# KiCad board SparkX_Soft_Power_Switch_panelized.kicad_pcb (continued)
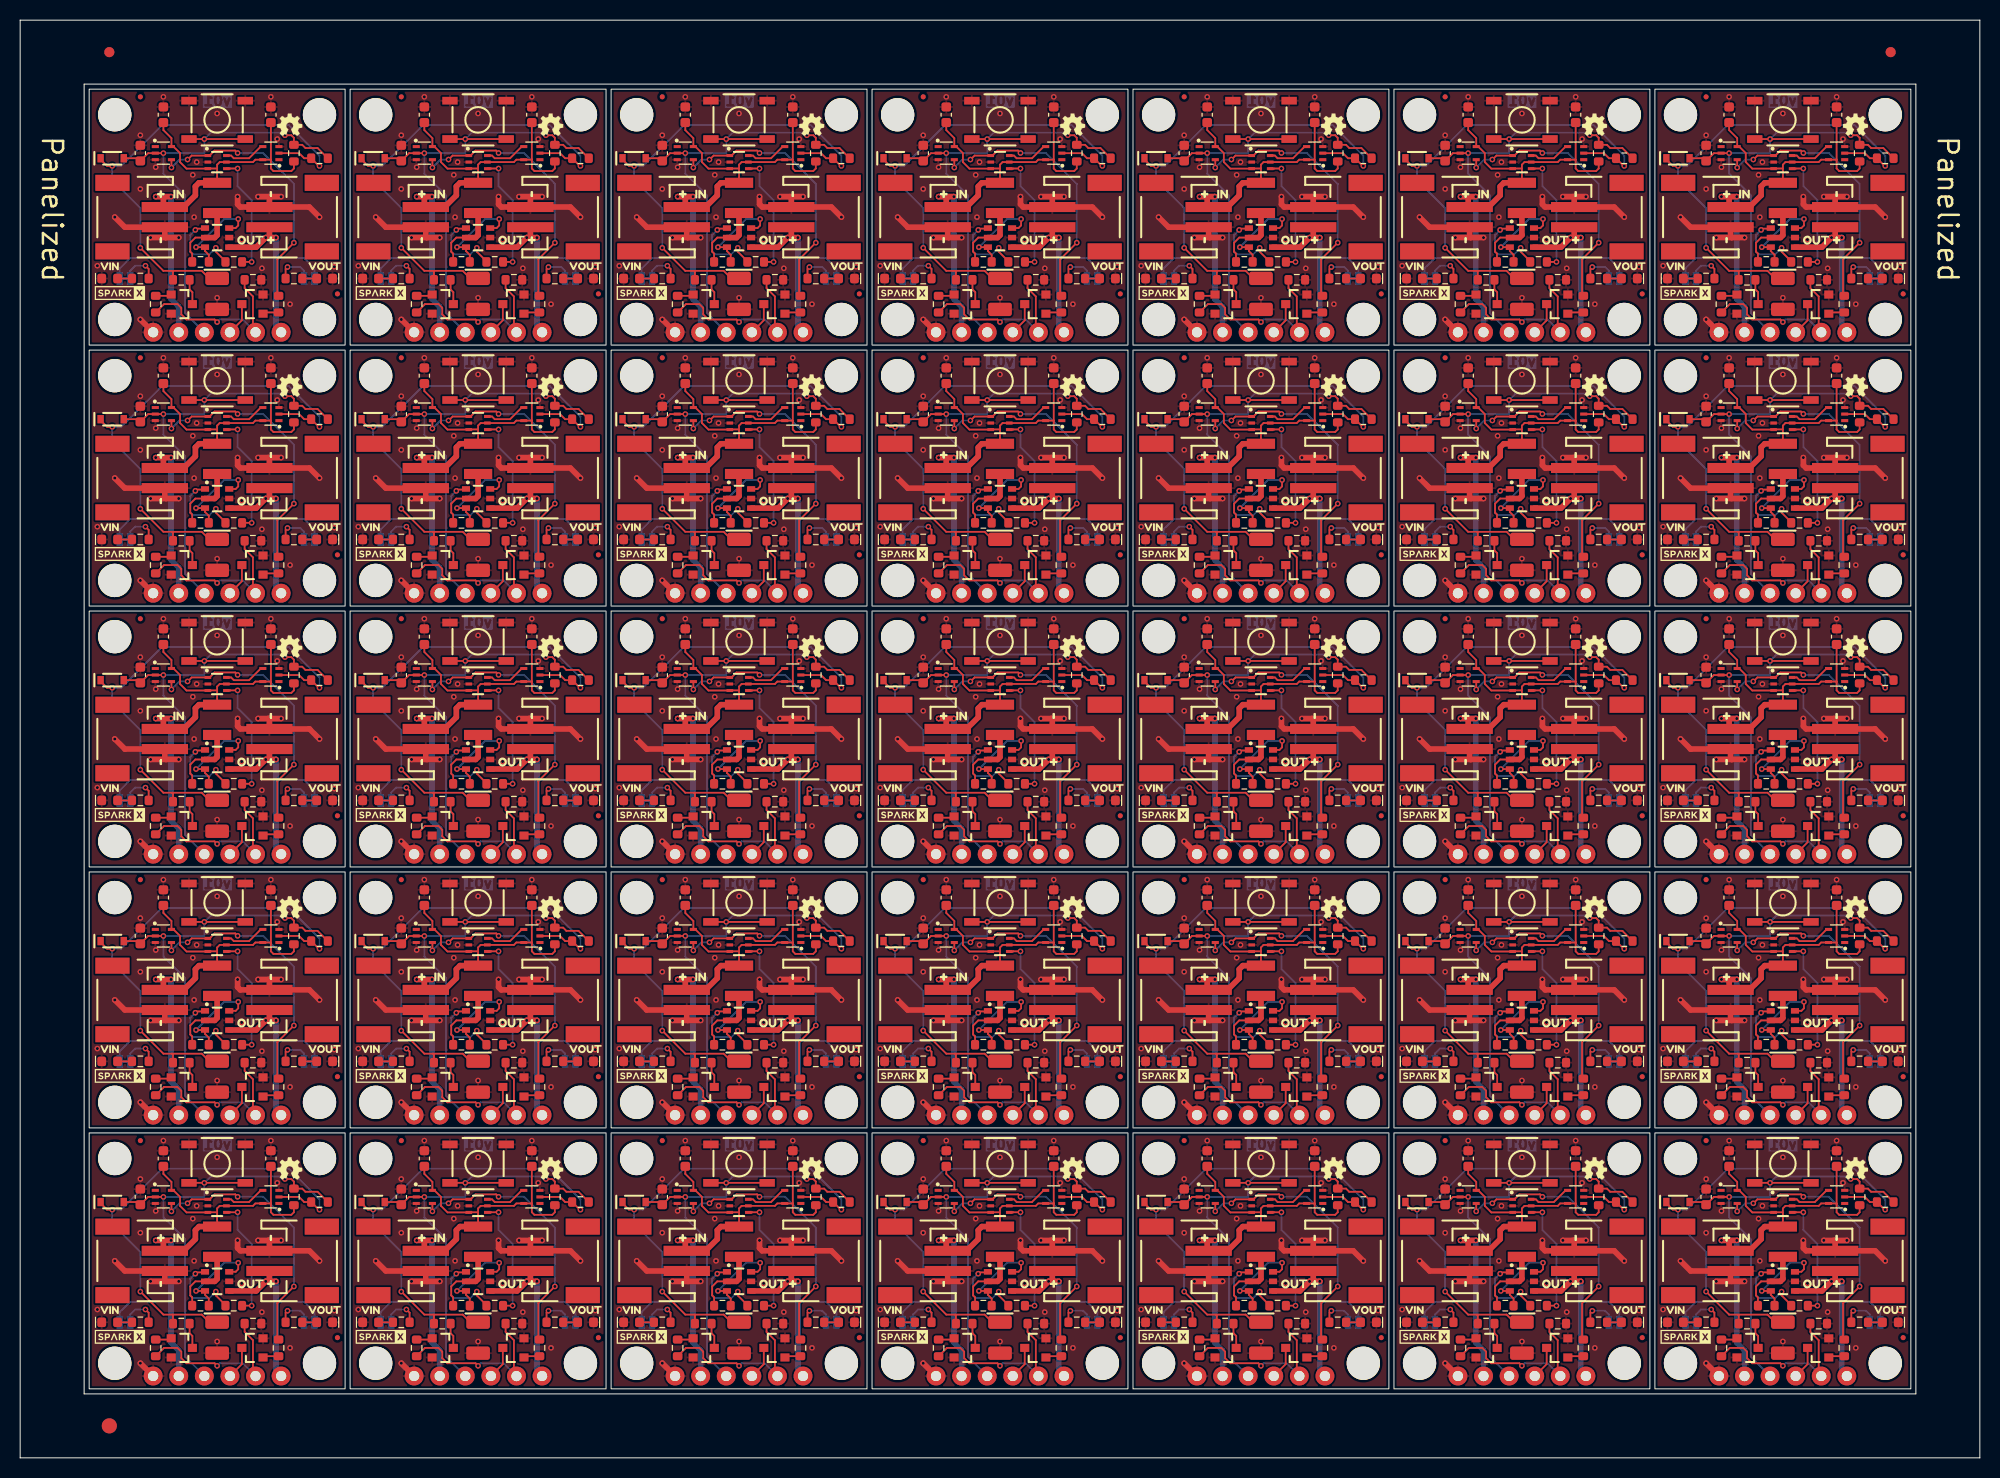
[diagram p0: board, top side]
## Placement (name value [footprint] x y rotation side) (continued)
SW1#33  SMD_5.2x5.2mm_h1.9mm  [Push_SMD_5.2x5.2mm]  174.95 106.9 0 top
SW1#34  SMD_5.2x5.2mm_h1.9mm  [Push_SMD_5.2x5.2mm]  174.95 132.8 0 top
SW1#35  SMD_5.2x5.2mm_h1.9mm  [Push_SMD_5.2x5.2mm]  19.55 29.2 0 top
U2  74LVC1G14  [SOT-353]  66.02 129.5 0 top
U2#2  74LVC1G14  [SOT-353]  91.92 25.9 0 top
U2#3  74LVC1G14  [SOT-353]  91.92 77.7 0 top
U2#4  74LVC1G14  [SOT-353]  91.92 103.6 0 top
U2#5  74LVC1G14  [SOT-353]  91.92 51.8 0 top
U2#6  74LVC1G14  [SOT-353]  117.82 25.9 0 top
U2#7  74LVC1G14  [SOT-353]  117.82 51.8 0 top
U2#8  74LVC1G14  [SOT-353]  91.92 129.5 0 top
U2#9  74LVC1G14  [SOT-353]  117.82 77.7 0 top
U2#10  74LVC1G14  [SOT-353]  117.82 103.6 0 top
U2#11  74LVC1G14  [SOT-353]  117.82 129.5 0 top
U2#12  74LVC1G14  [SOT-353]  66.02 77.7 0 top
U2#13  74LVC1G14  [SOT-353]  66.02 103.6 0 top
U2#14  74LVC1G14  [SOT-353]  40.12 129.5 0 top
U2#15  74LVC1G14  [SOT-353]  66.02 51.8 0 top
U2#16  74LVC1G14  [SOT-353]  66.02 25.9 0 top
U2#17  74LVC1G14  [SOT-353]  40.12 25.9 0 top
U2#18  74LVC1G14  [SOT-353]  40.12 77.7 0 top
U2#19  74LVC1G14  [SOT-353]  14.22 103.6 0 top
U2#20  74LVC1G14  [SOT-353]  14.22 51.8 0 top
U2#21  74LVC1G14  [SOT-353]  14.22 77.7 0 top
U2#22  74LVC1G14  [SOT-353]  40.12 103.6 0 top
U2#23  74LVC1G14  [SOT-353]  14.22 129.5 0 top
U2#24  74LVC1G14  [SOT-353]  40.12 51.8 0 top
U2#25  74LVC1G14  [SOT-353]  143.72 25.9 0 top
U2#26  74LVC1G14  [SOT-353]  14.22 25.9 0 top
U2#27  74LVC1G14  [SOT-353]  169.62 51.8 0 top
U2#28  74LVC1G14  [SOT-353]  143.72 51.8 0 top
U2#29  74LVC1G14  [SOT-353]  143.72 103.6 0 top
U2#30  74LVC1G14  [SOT-353]  169.62 77.7 0 top
U2#31  74LVC1G14  [SOT-353]  169.62 103.6 0 top
U2#32  74LVC1G14  [SOT-353]  169.62 129.5 0 top
U2#33  74LVC1G14  [SOT-353]  169.62 25.9 0 top
U2#34  74LVC1G14  [SOT-353]  143.72 77.7 0 top
U2#35  74LVC1G14  [SOT-353]  143.72 129.5 0 top
U3  74LVC1G17  [SOT-353]  128.48 51.8 180 top
U3#2  74LVC1G17  [SOT-353]  76.68 77.7 180 top
U3#3  74LVC1G17  [SOT-353]  76.68 51.8 180 top
U3#4  74LVC1G17  [SOT-353]  180.28 51.8 180 top
U3#5  74LVC1G17  [SOT-353]  102.58 25.9 180 top
U3#6  74LVC1G17  [SOT-353]  102.58 129.5 180 top
U3#7  74LVC1G17  [SOT-353]  76.68 129.5 180 top
U3#8  74LVC1G17  [SOT-353]  128.48 77.7 180 top
U3#9  74LVC1G17  [SOT-353]  128.48 103.6 180 top
U3#10  74LVC1G17  [SOT-353]  154.38 25.9 180 top
U3#11  74LVC1G17  [SOT-353]  102.58 51.8 180 top
U3#12  74LVC1G17  [SOT-353]  128.48 25.9 180 top
U3#13  74LVC1G17  [SOT-353]  154.38 51.8 180 top
U3#14  74LVC1G17  [SOT-353]  76.68 25.9 180 top
U3#15  74LVC1G17  [SOT-353]  102.58 77.7 180 top
U3#16  74LVC1G17  [SOT-353]  154.38 77.7 180 top
U3#17  74LVC1G17  [SOT-353]  102.58 103.6 180 top
U3#18  74LVC1G17  [SOT-353]  154.38 103.6 180 top
U3#19  74LVC1G17  [SOT-353]  50.78 77.7 180 top
U3#20  74LVC1G17  [SOT-353]  50.78 103.6 180 top
U3#21  74LVC1G17  [SOT-353]  50.78 129.5 180 top
U3#22  74LVC1G17  [SOT-353]  76.68 103.6 180 top
U3#23  74LVC1G17  [SOT-353]  154.38 129.5 180 top
U3#24  74LVC1G17  [SOT-353]  128.48 129.5 180 top
U3#25  74LVC1G17  [SOT-353]  180.28 25.9 180 top
U3#26  74LVC1G17  [SOT-353]  180.28 103.6 180 top
U3#27  74LVC1G17  [SOT-353]  180.28 129.5 180 top
U3#28  74LVC1G17  [SOT-353]  180.28 77.7 180 top
U3#29  74LVC1G17  [SOT-353]  24.88 51.8 180 top
U3#30  74LVC1G17  [SOT-353]  24.88 77.7 180 top
U3#31  74LVC1G17  [SOT-353]  24.88 103.6 180 top
U3#32  74LVC1G17  [SOT-353]  24.88 129.5 180 top
U3#33  74LVC1G17  [SOT-353]  50.78 25.9 180 top
U3#34  74LVC1G17  [SOT-353]  50.78 51.8 180 top
U3#35  74LVC1G17  [SOT-353]  24.88 25.9 180 top
U4  74LVC1G175  [SOT-323]  45.45 50.91 0 top
U4#2  74LVC1G175  [SOT-323]  97.25 128.61 0 top
U4#3  74LVC1G175  [SOT-323]  45.45 25.01 0 top
U4#4  74LVC1G175  [SOT-323]  71.35 76.81 0 top
U4#5  74LVC1G175  [SOT-323]  71.35 25.01 0 top
U4#6  74LVC1G175  [SOT-323]  19.55 76.81 0 top
U4#7  74LVC1G175  [SOT-323]  71.35 102.71 0 top
U4#8  74LVC1G175  [SOT-323]  19.55 128.61 0 top
U4#9  74LVC1G175  [SOT-323]  45.45 102.71 0 top
U4#10  74LVC1G175  [SOT-323]  97.25 25.01 0 top
U4#11  74LVC1G175  [SOT-323]  97.25 50.91 0 top
U4#12  74LVC1G175  [SOT-323]  45.45 76.81 0 top
U4#13  74LVC1G175  [SOT-323]  19.55 50.91 0 top
U4#14  74LVC1G175  [SOT-323]  97.25 102.71 0 top
U4#15  74LVC1G175  [SOT-323]  123.15 50.91 0 top
U4#16  74LVC1G175  [SOT-323]  174.95 76.81 0 top
U4#17  74LVC1G175  [SOT-323]  71.35 128.61 0 top
U4#18  74LVC1G175  [SOT-323]  45.45 128.61 0 top
U4#19  74LVC1G175  [SOT-323]  19.55 102.71 0 top
U4#20  74LVC1G175  [SOT-323]  71.35 50.91 0 top
U4#21  74LVC1G175  [SOT-323]  97.25 76.81 0 top
U4#22  74LVC1G175  [SOT-323]  123.15 102.71 0 top
U4#23  74LVC1G175  [SOT-323]  149.05 76.81 0 top
U4#24  74LVC1G175  [SOT-323]  123.15 76.81 0 top
U4#25  74LVC1G175  [SOT-323]  149.05 50.91 0 top
U4#26  74LVC1G175  [SOT-323]  123.15 25.01 0 top
U4#27  74LVC1G175  [SOT-323]  149.05 102.71 0 top
U4#28  74LVC1G175  [SOT-323]  174.95 50.91 0 top
U4#29  74LVC1G175  [SOT-323]  123.15 128.61 0 top
U4#30  74LVC1G175  [SOT-323]  149.05 25.01 0 top
U4#31  74LVC1G175  [SOT-323]  149.05 128.61 0 top
U4#32  74LVC1G175  [SOT-323]  174.95 25.01 0 top
U4#33  74LVC1G175  [SOT-323]  174.95 128.61 0 top
U4#34  74LVC1G175  [SOT-323]  174.95 102.71 0 top
U4#35  74LVC1G175  [SOT-323]  19.55 25.01 0 top

## Library data of the parts
C1 C1#2-C1#34 C3 C3#2-C3#34 = -: Datasheet: https://cdn.sparkfun.com/assets/8/a/4/a/5/Kemet_Capacitor_Datasheet.pdf; Description: Unpolarized capacitor; PROD_ID: CAP-13930; Tolerance: 10%; Voltage: 16V
C1#35 C3#35 = -: Datasheet: https://cdn.sparkfun.com/assets/8/a/4/a/5/Kemet_Capacitor_Datasheet.pdf; Description: Unpolarized capacitor; PROD_ID: CAP-13930; Tolerance: 10%; Voltage: 16V; ki_fp_filters: C_*
C2 C2#2-C2#34 = -: Datasheet: https://www.vishay.com/docs/40002/293d.pdf; Description: Polarized tantalum capacitor; PROD_ID: CAP-08310; Voltage: 10V; Tolerance: 10%
C2#35 = -: Datasheet: https://www.vishay.com/docs/40002/293d.pdf; Description: Polarized tantalum capacitor; PROD_ID: CAP-08310; Voltage: 10V; Tolerance: 10%; ki_fp_filters: CP_*
C4 C4#2-C4#34 = -: Datasheet: https://cdn.sparkfun.com/assets/8/a/4/a/5/Kemet_Capacitor_Datasheet.pdf; Description: Unpolarized capacitor; PROD_ID: CAP-08390; Tolerance: 10%; Voltage: 100V
C4#35 = -: Datasheet: https://cdn.sparkfun.com/assets/8/a/4/a/5/Kemet_Capacitor_Datasheet.pdf; Description: Unpolarized capacitor; PROD_ID: CAP-08390; Tolerance: 10%; Voltage: 100V; ki_fp_filters: C_*
D1 D1#2-D1#34 = -: Datasheet: https://assets.nexperia.com/documents/data-sheet/BAS16J.pdf; Description: Diode; IRev: 0.5μA; PROD_ID: DIO-09646; VMax: 100V
D1#35 = -: Datasheet: https://assets.nexperia.com/documents/data-sheet/BAS16J.pdf; Description: Diode; IRev: 0.5μA; PROD_ID: DIO-09646; VMax: 100V; ki_fp_filters: TO-???* *_Diode_* *SingleDiode* D_*
D2 D2#2-D2#34 D3 D3#2-D3#34 = -: Datasheet: https://docs.broadcom.com/docs/AV02-0551EN; Description: Light emitting diode; PROD_ID: DIO-17976
D2#35 D3#35 = -: Datasheet: https://docs.broadcom.com/docs/AV02-0551EN; Description: Light emitting diode; PROD_ID: DIO-17976; ki_fp_filters: LED* LED_SMD:* LED_THT:*
F1 F1#2-F1#34 = -: Datasheet: https://www.belfuse.com/resources/datasheets/circuitprotection/ds-cp-0zch-series.pdf; Description: Resettable fuse 2A; PROD_ID: RES-14313
F1#35 = -: Datasheet: https://www.belfuse.com/resources/datasheets/circuitprotection/ds-cp-0zch-series.pdf; Description: Resettable fuse 2A; PROD_ID: RES-14313; ki_fp_filters: *polyfuse* *PTC*
FID1 FID1#2-FID1#34 FID2 FID2#2-FID2#34 FID3 FID3#2-FID3#34 FID4 FID4#2-FID4#34 = -: Description: Fiducial Marker
FID1#35 FID2#35 FID3#35 FID4#35 = -: Description: Fiducial Marker; ki_fp_filters: Fiducial*
J1 J1#2-J1#34 J2 J2#2-J2#34 = -: Description: 2 Pin 2mm JST Battery Connector; PROD_ID: CONN-11443
J1#35 J2#35 = -: Description: 2 Pin 2mm JST Battery Connector; PROD_ID: CONN-11443; ki_fp_filters: Connector*:*_1x??_*
J3 J3#2-J3#34 = -: Description: Generic connector, single row, 01x06, script generated (kicad-library-utils/schlib/autogen/connector/)
J3#35 = -: Description: Generic connector, single row, 01x06, script generated (kicad-library-utils/schlib/autogen/connector/); ki_fp_filters: Connector*:*_1x??_*
JP1 JP2 = -: Description: Solder Jumper, 2-pole, closed/bridged; ki_fp_filters: SolderJumper*Bridged*
JP1#2-JP1#35 JP2#2-JP2#35 = -: Description: Solder Jumper, 2-pole, closed/bridged
Q1 Q1#2-Q1#35 Q2 Q2#2-Q2#35 = -: Datasheet: https://cdn.sparkfun.com/datasheets/BreakoutBoards/BSS138.pdf; Description: N-MOSFET transistor, drain/gate/source; IMax: 0.2A; PROD_ID: TRANS-00830; VMax: 50V
Q3 Q3#2-Q3#34 = -: Datasheet: https://www.mccsemi.com/pdf/Products/SIL2308(SOT-23-6L)-A.pdf; Description: Dual N-Channel P-Channel MOSFET; IMax: 4A; PROD_ID: TRANS-15717; VMax: 20V
Q3#35 = -: Datasheet: https://www.mccsemi.com/pdf/Products/SIL2308(SOT-23-6L)-A.pdf; Description: Dual N-Channel P-Channel MOSFET; IMax: 4A; PROD_ID: TRANS-15717; VMax: 20V; ki_fp_filters: SOIC*3.9x4.9mm*P1.27mm*
R1 R1#2-R1#34 R6 R6#2-R6#34 R8 R8#2-R8#34 R9 R9#2-R9#34 = -: Datasheet: https://www.vishay.com/docs/20035/dcrcwe3.pdf; Description: Resistor; PROD_ID: RES-07856
R1#35 R6#35 R8#35 R9#35 = -: Datasheet: https://www.vishay.com/docs/20035/dcrcwe3.pdf; Description: Resistor; PROD_ID: RES-07856; ki_fp_filters: R_*
R2 R2#2-R2#34 = -: Datasheet: https://www.vishay.com/docs/20035/dcrcwe3.pdf; Description: Resistor; PROD_ID: RES-09385
R2#35 = -: Datasheet: https://www.vishay.com/docs/20035/dcrcwe3.pdf; Description: Resistor; PROD_ID: RES-09385; ki_fp_filters: R_*
R3 R3#2-R3#34 R4 R4#2-R4#34 R7 R7#2-R7#34 = -: Datasheet: https://www.vishay.com/docs/20035/dcrcwe3.pdf; Description: Resistor; PROD_ID: RES-00824
R3#35 R4#35 R7#35 = -: Datasheet: https://www.vishay.com/docs/20035/dcrcwe3.pdf; Description: Resistor; PROD_ID: RES-00824; ki_fp_filters: R_*
R5 R5#2-R5#34 = -: Datasheet: https://www.vishay.com/docs/20035/dcrcwe3.pdf; Description: Resistor; PROD_ID: RES-07863
R5#35 = -: Datasheet: https://www.vishay.com/docs/20035/dcrcwe3.pdf; Description: Resistor; PROD_ID: RES-07863; ki_fp_filters: R_*
R10 R10#2-R10#34 = -: Datasheet: https://www.vishay.com/docs/20035/dcrcwe3.pdf; Description: Resistor; PROD_ID: RES-07828
R10#35 = -: Datasheet: https://www.vishay.com/docs/20035/dcrcwe3.pdf; Description: Resistor; PROD_ID: RES-07828; ki_fp_filters: R_*
ST1 ST1#2-ST1#34 ST2 ST2#2-ST2#34 ST3 ST3#2-ST3#34 ST4 ST4#2-ST4#34 = -: Description: Drill holes for mechanically mounting via screws, standoffs, etc.
ST1#35 ST2#35 ST3#35 ST4#35 = -: Description: Drill holes for mechanically mounting via screws, standoffs, etc.; ki_fp_filters: Fiducial*
SW1 SW1#2-SW1#35 = -: Datasheet: https://sten-eswitch-13110800-production.s3.amazonaws.com/system/asset/product_line/data_sheet/165/TL3342.pdf; Description: Single Pole Single Throw (SPST) switch; PROD_ID: SWCH-08247
U2 U2#2-U2#25 U2#27-U2#35 = -: Datasheet: https://www.ti.com/lit/gpn/SN74LVC1G14; Description: Single Schmitt-Trigger Inverter, Low-Voltage CMOS, 1.65V to 5.5V, SOT-353 (SC70); PROD_ID: IC-21903
U2#26 = -: Datasheet: https://www.ti.com/lit/gpn/SN74LVC1G14; Description: Single Schmitt-Trigger Inverter, Low-Voltage CMOS, 1.65V to 5.5V, SOT-353 (SC70); PROD_ID: IC-21903; ki_fp_filters: SG-* SOT*
U3 U3#2-U3#34 = -: Datasheet: https://www.ti.com/lit/gpn/SN74LVC1G17; Description: Single Schmitt-Trigger Buffer, Low-Voltage CMOS, 1.65V to 5.5V, SOT-353 (SC70); PROD_ID: IC-21904
U3#35 = -: Datasheet: https://www.ti.com/lit/gpn/SN74LVC1G17; Description: Single Schmitt-Trigger Buffer, Low-Voltage CMOS, 1.65V to 5.5V, SOT-353 (SC70); PROD_ID: IC-21904; ki_fp_filters: SG-* SOT*
U4 U4#2-U4#34 = -: Datasheet: https://www.ti.com/lit/gpn/SN74LVC1G175; Description: Single D-Type Flip-Flop With Asynchronous Clear, 1.65V to 5.5V, SOT-323 (SC70); PROD_ID: IC-21905
U4#35 = -: Datasheet: https://www.ti.com/lit/gpn/SN74LVC1G175; Description: Single D-Type Flip-Flop With Asynchronous Clear, 1.65V to 5.5V, SOT-323 (SC70); PROD_ID: IC-21905; ki_fp_filters: TSSOP*4.4x5mm*P0.65mm* DIP*W7.62* SOIC*3.9x9.9mm*P1.27mm* SO*5.3x10.2mm*P1.27mm*

## Footprints (pads in the part's own frame, mm; a bottom-side part is the same pattern mirrored in y, then rotated)
1x06
  round 1.88 hole 1.016: 1(0,0) 2(2.54,0) 3(5.08,0) 4(7.62,0) 5(10.16,0) 6(12.7,0)
1210
  rect 1x2.8 smd: 1(-1.5,0) 2(1.5,0)
C_0603_1608Metric
  rrect 0.9x0.95 smd: 1(-0.775,0) 2(0.775,0)
EIA-3528
  rrect 1.325x2.35 smd: 1(-1.538,0) 2(1.538,0)
Fiducial_0.5mm_Mask1mm
  round 0.5 smd: (0,0)
Fiducial_1.5mm_Mask3mm
  round 1.5 smd: (0,0)
Fiducial_1mm_Mask3mm
  round 1 smd: (0,0)
JST_SMD_2.0mm-2
  rect 1x4.6 smd: 1(-1,-3.7) 2(1,-3.7)
  rect 1.6x3.4 smd: NC1(-3.4,1.5) NC2(3.4,1.5)
Jumper_2_NC_Trace
  rect 0.66x1.27 smd: 1(-0.521,0) 2(0.521,0)
LED_0603_1608Metric
  rrect 0.875x0.95 smd: 1(-0.787,0) 2(0.787,0)
Push_SMD_5.2x5.2mm
  rect 1.524x0.762 smd: 1(-2.794,1.905) 1(2.794,1.905) 2(-2.794,-1.905) 2(2.794,-1.905)
R_0603_1608Metric
  rrect 0.8x0.95 smd: 1(-0.825,0) 2(0.825,0)
SOD-323
  rect 0.63x0.83 smd: A(1.15,0) C(-1.15,0)
SOT23-3
  rect 0.9x0.8 smd: 1(-1,0.95) 2(-1,-0.95) 3(1.1,0)
SOT23-6-Tight
  rect 0.8x0.55 smd: 1(-1.2,0.95) 2(-1.2,0) 3(-1.2,-0.95) 4(1.2,-0.95) 5(1.2,0) 6(1.2,0.95)
SOT-323
  rect 0.66x0.3 smd: 1(-0.92,0.65) 2(-0.92,0) 3(-0.92,-0.65) 4(0.92,-0.65) 5(0.92,0) 6(0.92,0.65)
SOT-353
  rect 0.7x0.3 smd: 1(-0.8,0.65) 2(-0.8,0) 3(-0.8,-0.65) 4(0.8,-0.65) 5(0.8,0.65)
Standoff
  round 3.302 hole 3.302 unplated: (0,0)

## Nets
GND: C1.2 C1#2.2 C1#3.2 C1#4.2 C1#5.2 C1#6.2 C1#7.2 C1#8.2 C1#9.2 C1#10.2 C1#11.2 C1#12.2 C1#13.2 C1#14.2 C1#15.2 C1#16.2 C1#17.2 C1#18.2 C1#19.2 C1#20.2 C1#21.2 C1#22.2 C1#23.2 C1#24.2 C1#25.2 C1#26.2 C1#27.2 C1#28.2 C1#29.2 C1#30.2 C1#31.2 C1#32.2 C1#33.2 C1#34.2 C1#35.2 C2.2 C2#2.2 C2#3.2 C2#4.2 C2#5.2 C2#6.2 C2#7.2 C2#8.2 C2#9.2 C2#10.2 C2#11.2 C2#12.2 C2#13.2 C2#14.2 C2#15.2 C2#16.2 C2#17.2 C2#18.2 C2#19.2 C2#20.2 C2#21.2 C2#22.2 C2#23.2 C2#24.2 C2#25.2 C2#26.2 C2#27.2 C2#28.2 C2#29.2 C2#30.2 C2#31.2 C2#32.2 C2#33.2 C2#34.2 C2#35.2 C3.2 C3#2.2 C3#3.2 C3#4.2 C3#5.2 C3#6.2 C3#7.2 C3#8.2 C3#9.2 C3#10.2 C3#11.2 C3#12.2 C3#13.2 C3#14.2 C3#15.2 C3#16.2 C3#17.2 C3#18.2 C3#19.2 C3#20.2 C3#21.2 C3#22.2 C3#23.2 C3#24.2 C3#25.2 C3#26.2 C3#27.2 C3#28.2 C3#29.2 C3#30.2 C3#31.2 C3#32.2 C3#33.2 C3#34.2 C3#35.2 C4.2 C4#2.2 C4#3.2 C4#4.2 C4#5.2 C4#6.2 C4#7.2 C4#8.2 C4#9.2 C4#10.2 C4#11.2 C4#12.2 C4#13.2 C4#14.2 C4#15.2 C4#16.2 C4#17.2 C4#18.2 C4#19.2 C4#20.2 C4#21.2 C4#22.2 C4#23.2 C4#24.2 C4#25.2 C4#26.2 C4#27.2 C4#28.2 C4#29.2 C4#30.2 C4#31.2 C4#32.2 C4#33.2 C4#34.2 C4#35.2 D2.1 D2#2.1 D2#3.1 D2#4.1 D2#5.1 D2#6.1 D2#7.1 D2#8.1 D2#9.1 D2#10.1 D2#11.1 D2#12.1 D2#13.1 D2#14.1 D2#15.1 D2#16.1 D2#17.1 D2#18.1 D2#19.1 D2#20.1 D2#21.1 D2#22.1 D2#23.1 D2#24.1 D2#25.1 D2#26.1 D2#27.1 D2#28.1 D2#29.1 D2#30.1 D2#31.1 D2#32.1 D2#33.1 D2#34.1 D2#35.1 D3.1 D3#2.1 D3#3.1 D3#4.1 D3#5.1 D3#6.1 D3#7.1 D3#8.1 D3#9.1 D3#10.1 D3#11.1 D3#12.1 D3#13.1 D3#14.1 D3#15.1 D3#16.1 D3#17.1 D3#18.1 D3#19.1 D3#20.1 D3#21.1 D3#22.1 D3#23.1 D3#24.1 D3#25.1 D3#26.1 D3#27.1 D3#28.1 D3#29.1 D3#30.1 D3#31.1 D3#32.1 D3#33.1 D3#34.1 D3#35.1 J1.1 J1#2.1 J1#3.1 J1#4.1 J1#5.1 J1#6.1 J1#7.1 J1#8.1 J1#9.1 J1#10.1 J1#11.1 J1#12.1 J1#13.1 J1#14.1 J1#15.1 J1#16.1 J1#17.1 J1#18.1 J1#19.1 J1#20.1 J1#21.1 J1#22.1 J1#23.1 J1#24.1 J1#25.1 J1#26.1 J1#27.1 J1#28.1 J1#29.1 J1#30.1 J1#31.1 J1#32.1 J1#33.1 J1#34.1 J1#35.1 J2.1 J2#2.1 J2#3.1 J2#4.1 J2#5.1 J2#6.1 J2#7.1 J2#8.1 J2#9.1 J2#10.1 J2#11.1 J2#12.1 J2#13.1 J2#14.1 J2#15.1 J2#16.1 J2#17.1 J2#18.1 J2#19.1 J2#20.1 J2#21.1 J2#22.1 J2#23.1 J2#24.1 J2#25.1 J2#26.1 J2#27.1 J2#28.1 J2#29.1 J2#30.1 J2#31.1 J2#32.1 J2#33.1 J2#34.1 J2#35.1 J3.6 J3#2.6 J3#3.6 J3#4.6 J3#5.6 J3#6.6 J3#7.6 J3#8.6 J3#9.6 J3#10.6 J3#11.6 J3#12.6 J3#13.6 J3#14.6 J3#15.6 J3#16.6 J3#17.6 J3#18.6 J3#19.6 J3#20.6 J3#21.6 J3#22.6 J3#23.6 J3#24.6 J3#25.6 J3#26.6 J3#27.6 J3#28.6 J3#29.6 J3#30.6 J3#31.6 J3#32.6 J3#33.6 J3#34.6 J3#35.6 Q1.2 Q1#2.2 Q1#3.2 Q1#4.2 Q1#5.2 Q1#6.2 Q1#7.2 Q1#8.2 Q1#9.2 Q1#10.2 Q1#11.2 Q1#12.2 Q1#13.2 Q1#14.2 Q1#15.2 Q1#16.2 Q1#17.2 Q1#18.2 Q1#19.2 Q1#20.2 Q1#21.2 Q1#22.2 Q1#23.2 Q1#24.2 Q1#25.2 Q1#26.2 Q1#27.2 Q1#28.2 Q1#29.2 Q1#30.2 Q1#31.2 Q1#32.2 Q1#33.2 Q1#34.2 Q1#35.2 Q2.2 Q2#2.2 Q2#3.2 Q2#4.2 Q2#5.2 Q2#6.2 Q2#7.2 Q2#8.2 Q2#9.2 Q2#10.2 Q2#11.2 Q2#12.2 Q2#13.2 Q2#14.2 Q2#15.2 Q2#16.2 Q2#17.2 Q2#18.2 Q2#19.2 Q2#20.2 Q2#21.2 Q2#22.2 Q2#23.2 Q2#24.2 Q2#25.2 Q2#26.2 Q2#27.2 Q2#28.2 Q2#29.2 Q2#30.2 Q2#31.2 Q2#32.2 Q2#33.2 Q2#34.2 Q2#35.2 Q3.5 Q3#2.5 Q3#3.5 Q3#4.5 Q3#5.5 Q3#6.5 Q3#7.5 Q3#8.5 Q3#9.5 Q3#10.5 Q3#11.5 Q3#12.5 Q3#13.5 Q3#14.5 Q3#15.5 Q3#16.5 Q3#17.5 Q3#18.5 Q3#19.5 Q3#20.5 Q3#21.5 Q3#22.5 Q3#23.5 Q3#24.5 Q3#25.5 Q3#26.5 Q3#27.5 Q3#28.5 Q3#29.5 Q3#30.5 Q3#31.5 Q3#32.5 Q3#33.5 Q3#34.5 Q3#35.5 R7.2 R7#2.2 R7#3.2 R7#4.2 R7#5.2 R7#6.2 R7#7.2 R7#8.2 R7#9.2 R7#10.2 R7#11.2 R7#12.2 R7#13.2 R7#14.2 R7#15.2 R7#16.2 R7#17.2 R7#18.2 R7#19.2 R7#20.2 R7#21.2 R7#22.2 R7#23.2 R7#24.2 R7#25.2 R7#26.2 R7#27.2 R7#28.2 R7#29.2 R7#30.2 R7#31.2 R7#32.2 R7#33.2 R7#34.2 R7#35.2 SW1.1 SW1#2.1 SW1#3.1 SW1#4.1 SW1#5.1 SW1#6.1 SW1#7.1 SW1#8.1 SW1#9.1 SW1#10.1 SW1#11.1 SW1#12.1 SW1#13.1 SW1#14.1 SW1#15.1 SW1#16.1 SW1#17.1 SW1#18.1 SW1#19.1 SW1#20.1 SW1#21.1 SW1#22.1 SW1#23.1 SW1#24.1 SW1#25.1 SW1#26.1 SW1#27.1 SW1#28.1 SW1#29.1 SW1#30.1 SW1#31.1 SW1#32.1 SW1#33.1 SW1#34.1 SW1#35.1 U2.3 U2#2.3 U2#3.3 U2#4.3 U2#5.3 U2#6.3 U2#7.3 U2#8.3 U2#9.3 U2#10.3 U2#11.3 U2#12.3 U2#13.3 U2#14.3 U2#15.3 U2#16.3 U2#17.3 U2#18.3 U2#19.3 U2#20.3 U2#21.3 U2#22.3 U2#23.3 U2#24.3 U2#25.3 U2#26.3 U2#27.3 U2#28.3 U2#29.3 U2#30.3 U2#31.3 U2#32.3 U2#33.3 U2#34.3 U2#35.3 U3.3 U3#2.3 U3#3.3 U3#4.3 U3#5.3 U3#6.3 U3#7.3 U3#8.3 U3#9.3 U3#10.3 U3#11.3 U3#12.3 U3#13.3 U3#14.3 U3#15.3 U3#16.3 U3#17.3 U3#18.3 U3#19.3 U3#20.3 U3#21.3 U3#22.3 U3#23.3 U3#24.3 U3#25.3 U3#26.3 U3#27.3 U3#28.3 U3#29.3 U3#30.3 U3#31.3 U3#32.3 U3#33.3 U3#34.3 U3#35.3 U4.2 U4#2.2 U4#3.2 U4#4.2 U4#5.2 U4#6.2 U4#7.2 U4#8.2 U4#9.2 U4#10.2 U4#11.2 U4#12.2 U4#13.2 U4#14.2 U4#15.2 U4#16.2 U4#17.2 U4#18.2 U4#19.2 U4#20.2 U4#21.2 U4#22.2 U4#23.2 U4#24.2 U4#25.2 U4#26.2 U4#27.2 U4#28.2 U4#29.2 U4#30.2 U4#31.2 U4#32.2 U4#33.2 U4#34.2 U4#35.2
VIN: C3.1 C3#2.1 C3#3.1 C3#4.1 C3#5.1 C3#6.1 C3#7.1 C3#8.1 C3#9.1 C3#10.1 C3#11.1 C3#12.1 C3#13.1 C3#14.1 C3#15.1 C3#16.1 C3#17.1 C3#18.1 C3#19.1 C3#20.1 C3#21.1 C3#22.1 C3#23.1 C3#24.1 C3#25.1 C3#26.1 C3#27.1 C3#28.1 C3#29.1 C3#30.1 C3#31.1 C3#32.1 C3#33.1 C3#34.1 C3#35.1 C4.1 C4#2.1 C4#3.1 C4#4.1 C4#5.1 C4#6.1 C4#7.1 C4#8.1 C4#9.1 C4#10.1 C4#11.1 C4#12.1 C4#13.1 C4#14.1 C4#15.1 C4#16.1 C4#17.1 C4#18.1 C4#19.1 C4#20.1 C4#21.1 C4#22.1 C4#23.1 C4#24.1 C4#25.1 C4#26.1 C4#27.1 C4#28.1 C4#29.1 C4#30.1 C4#31.1 C4#32.1 C4#33.1 C4#34.1 C4#35.1 F1.2 F1#2.2 F1#3.2 F1#4.2 F1#5.2 F1#6.2 F1#7.2 F1#8.2 F1#9.2 F1#10.2 F1#11.2 F1#12.2 F1#13.2 F1#14.2 F1#15.2 F1#16.2 F1#17.2 F1#18.2 F1#19.2 F1#20.2 F1#21.2 F1#22.2 F1#23.2 F1#24.2 F1#25.2 F1#26.2 F1#27.2 F1#28.2 F1#29.2 F1#30.2 F1#31.2 F1#32.2 F1#33.2 F1#34.2 F1#35.2 J1.2 J1#2.2 J1#3.2 J1#4.2 J1#5.2 J1#6.2 J1#7.2 J1#8.2 J1#9.2 J1#10.2 J1#11.2 J1#12.2 J1#13.2 J1#14.2 J1#15.2 J1#16.2 J1#17.2 J1#18.2 J1#19.2 J1#20.2 J1#21.2 J1#22.2 J1#23.2 J1#24.2 J1#25.2 J1#26.2 J1#27.2 J1#28.2 J1#29.2 J1#30.2 J1#31.2 J1#32.2 J1#33.2 J1#34.2 J1#35.2 J3.5 J3#2.5 J3#3.5 J3#4.5 J3#5.5 J3#6.5 J3#7.5 J3#8.5 J3#9.5 J3#10.5 J3#11.5 J3#12.5 J3#13.5 J3#14.5 J3#15.5 J3#16.5 J3#17.5 J3#18.5 J3#19.5 J3#20.5 J3#21.5 J3#22.5 J3#23.5 J3#24.5 J3#25.5 J3#26.5 J3#27.5 J3#28.5 J3#29.5 J3#30.5 J3#31.5 J3#32.5 J3#33.5 J3#34.5 J3#35.5 JP1.2 JP1#2.2 JP1#3.2 JP1#4.2 JP1#5.2 JP1#6.2 JP1#7.2 JP1#8.2 JP1#9.2 JP1#10.2 JP1#11.2 JP1#12.2 JP1#13.2 JP1#14.2 JP1#15.2 JP1#16.2 JP1#17.2 JP1#18.2 JP1#19.2 JP1#20.2 JP1#21.2 JP1#22.2 JP1#23.2 JP1#24.2 JP1#25.2 JP1#26.2 JP1#27.2 JP1#28.2 JP1#29.2 JP1#30.2 JP1#31.2 JP1#32.2 JP1#33.2 JP1#34.2 JP1#35.2 R1.1 R1#2.1 R1#3.1 R1#4.1 R1#5.1 R1#6.1 R1#7.1 R1#8.1 R1#9.1 R1#10.1 R1#11.1 R1#12.1 R1#13.1 R1#14.1 R1#15.1 R1#16.1 R1#17.1 R1#18.1 R1#19.1 R1#20.1 R1#21.1 R1#22.1 R1#23.1 R1#24.1 R1#25.1 R1#26.1 R1#27.1 R1#28.1 R1#29.1 R1#30.1 R1#31.1 R1#32.1 R1#33.1 R1#34.1 R1#35.1 U2.5 U2#2.5 U2#3.5 U2#4.5 U2#5.5 U2#6.5 U2#7.5 U2#8.5 U2#9.5 U2#10.5 U2#11.5 U2#12.5 U2#13.5 U2#14.5 U2#15.5 U2#16.5 U2#17.5 U2#18.5 U2#19.5 U2#20.5 U2#21.5 U2#22.5 U2#23.5 U2#24.5 U2#25.5 U2#26.5 U2#27.5 U2#28.5 U2#29.5 U2#30.5 U2#31.5 U2#32.5 U2#33.5 U2#34.5 U2#35.5 U3.5 U3#2.5 U3#3.5 U3#4.5 U3#5.5 U3#6.5 U3#7.5 U3#8.5 U3#9.5 U3#10.5 U3#11.5 U3#12.5 U3#13.5 U3#14.5 U3#15.5 U3#16.5 U3#17.5 U3#18.5 U3#19.5 U3#20.5 U3#21.5 U3#22.5 U3#23.5 U3#24.5 U3#25.5 U3#26.5 U3#27.5 U3#28.5 U3#29.5 U3#30.5 U3#31.5 U3#32.5 U3#33.5 U3#34.5 U3#35.5 U4.3 U4.5 U4#2.3 U4#2.5 U4#3.3 U4#3.5 U4#4.3 U4#4.5 U4#5.3 U4#5.5 U4#6.3 U4#6.5 U4#7.3 U4#7.5 U4#8.3 U4#8.5 U4#9.3 U4#9.5 U4#10.3 U4#10.5 U4#11.3 U4#11.5 U4#12.3 U4#12.5 U4#13.3 U4#13.5 U4#14.3 U4#14.5 U4#15.3 U4#15.5 U4#16.3 U4#16.5 U4#17.3 U4#17.5 U4#18.3 U4#18.5 U4#19.3 U4#19.5 U4#20.3 U4#20.5 U4#21.3 U4#21.5 U4#22.3 U4#22.5 U4#23.3 U4#23.5 U4#24.3 U4#24.5 U4#25.3 U4#25.5 U4#26.3 U4#26.5 U4#27.3 U4#27.5 U4#28.3 U4#28.5 U4#29.3 U4#29.5 U4#30.3 U4#30.5 U4#31.3 U4#31.5 U4#32.3 U4#32.5 U4#33.3 U4#33.5 U4#34.3 U4#34.5 U4#35.3 U4#35.5
BTN: C1.1 C1#2.1 C1#3.1 C1#4.1 C1#5.1 C1#6.1 C1#7.1 C1#8.1 C1#9.1 C1#10.1 C1#11.1 C1#12.1 C1#13.1 C1#14.1 C1#15.1 C1#16.1 C1#17.1 C1#18.1 C1#19.1 C1#20.1 C1#21.1 C1#22.1 C1#23.1 C1#24.1 C1#25.1 C1#26.1 C1#27.1 C1#28.1 C1#29.1 C1#30.1 C1#31.1 C1#32.1 C1#33.1 C1#34.1 C1#35.1 D1.A D1#2.A D1#3.A D1#4.A D1#5.A D1#6.A D1#7.A D1#8.A D1#9.A D1#10.A D1#11.A D1#12.A D1#13.A D1#14.A D1#15.A D1#16.A D1#17.A D1#18.A D1#19.A D1#20.A D1#21.A D1#22.A D1#23.A D1#24.A D1#25.A D1#26.A D1#27.A D1#28.A D1#29.A D1#30.A D1#31.A D1#32.A D1#33.A D1#34.A D1#35.A J3.4 J3#2.4 J3#3.4 J3#4.4 J3#5.4 J3#6.4 J3#7.4 J3#8.4 J3#9.4 J3#10.4 J3#11.4 J3#12.4 J3#13.4 J3#14.4 J3#15.4 J3#16.4 J3#17.4 J3#18.4 J3#19.4 J3#20.4 J3#21.4 J3#22.4 J3#23.4 J3#24.4 J3#25.4 J3#26.4 J3#27.4 J3#28.4 J3#29.4 J3#30.4 J3#31.4 J3#32.4 J3#33.4 J3#34.4 J3#35.4 R1.2 R1#2.2 R1#3.2 R1#4.2 R1#5.2 R1#6.2 R1#7.2 R1#8.2 R1#9.2 R1#10.2 R1#11.2 R1#12.2 R1#13.2 R1#14.2 R1#15.2 R1#16.2 R1#17.2 R1#18.2 R1#19.2 R1#20.2 R1#21.2 R1#22.2 R1#23.2 R1#24.2 R1#25.2 R1#26.2 R1#27.2 R1#28.2 R1#29.2 R1#30.2 R1#31.2 R1#32.2 R1#33.2 R1#34.2 R1#35.2 R2.2 R2#2.2 R2#3.2 R2#4.2 R2#5.2 R2#6.2 R2#7.2 R2#8.2 R2#9.2 R2#10.2 R2#11.2 R2#12.2 R2#13.2 R2#14.2 R2#15.2 R2#16.2 R2#17.2 R2#18.2 R2#19.2 R2#20.2 R2#21.2 R2#22.2 R2#23.2 R2#24.2 R2#25.2 R2#26.2 R2#27.2 R2#28.2 R2#29.2 R2#30.2 R2#31.2 R2#32.2 R2#33.2 R2#34.2 R2#35.2 SW1.2 SW1#2.2 SW1#3.2 SW1#4.2 SW1#5.2 SW1#6.2 SW1#7.2 SW1#8.2 SW1#9.2 SW1#10.2 SW1#11.2 SW1#12.2 SW1#13.2 SW1#14.2 SW1#15.2 SW1#16.2 SW1#17.2 SW1#18.2 SW1#19.2 SW1#20.2 SW1#21.2 SW1#22.2 SW1#23.2 SW1#24.2 SW1#25.2 SW1#26.2 SW1#27.2 SW1#28.2 SW1#29.2 SW1#30.2 SW1#31.2 SW1#32.2 SW1#33.2 SW1#34.2 SW1#35.2 U2.2 U2#2.2 U2#3.2 U2#4.2 U2#5.2 U2#6.2 U2#7.2 U2#8.2 U2#9.2 U2#10.2 U2#11.2 U2#12.2 U2#13.2 U2#14.2 U2#15.2 U2#16.2 U2#17.2 U2#18.2 U2#19.2 U2#20.2 U2#21.2 U2#22.2 U2#23.2 U2#24.2 U2#25.2 U2#26.2 U2#27.2 U2#28.2 U2#29.2 U2#30.2 U2#31.2 U2#32.2 U2#33.2 U2#34.2 U2#35.2
EN: R9.2 R9#2.2 R9#3.2 R9#4.2 R9#5.2 R9#6.2 R9#7.2 R9#8.2 R9#9.2 R9#10.2 R9#11.2 R9#12.2 R9#13.2 R9#14.2 R9#15.2 R9#16.2 R9#17.2 R9#18.2 R9#19.2 R9#20.2 R9#21.2 R9#22.2 R9#23.2 R9#24.2 R9#25.2 R9#26.2 R9#27.2 R9#28.2 R9#29.2 R9#30.2 R9#31.2 R9#32.2 R9#33.2 R9#34.2 R9#35.2 U4.4 U4#2.4 U4#3.4 U4#4.4 U4#5.4 U4#6.4 U4#7.4 U4#8.4 U4#9.4 U4#10.4 U4#11.4 U4#12.4 U4#13.4 U4#14.4 U4#15.4 U4#16.4 U4#17.4 U4#18.4 U4#19.4 U4#20.4 U4#21.4 U4#22.4 U4#23.4 U4#24.4 U4#25.4 U4#26.4 U4#27.4 U4#28.4 U4#29.4 U4#30.4 U4#31.4 U4#32.4 U4#33.4 U4#34.4 U4#35.4
OFF: J3.2 J3#2.2 J3#3.2 J3#4.2 J3#5.2 J3#6.2 J3#7.2 J3#8.2 J3#9.2 J3#10.2 J3#11.2 J3#12.2 J3#13.2 J3#14.2 J3#15.2 J3#16.2 J3#17.2 J3#18.2 J3#19.2 J3#20.2 J3#21.2 J3#22.2 J3#23.2 J3#24.2 J3#25.2 J3#26.2 J3#27.2 J3#28.2 J3#29.2 J3#30.2 J3#31.2 J3#32.2 J3#33.2 J3#34.2 J3#35.2 R6.2 R6#2.2 R6#3.2 R6#4.2 R6#5.2 R6#6.2 R6#7.2 R6#8.2 R6#9.2 R6#10.2 R6#11.2 R6#12.2 R6#13.2 R6#14.2 R6#15.2 R6#16.2 R6#17.2 R6#18.2 R6#19.2 R6#20.2 R6#21.2 R6#22.2 R6#23.2 R6#24.2 R6#25.2 R6#26.2 R6#27.2 R6#28.2 R6#29.2 R6#30.2 R6#31.2 R6#32.2 R6#33.2 R6#34.2 R6#35.2 R7.1 R7#2.1 R7#3.1 R7#4.1 R7#5.1 R7#6.1 R7#7.1 R7#8.1 R7#9.1 R7#10.1 R7#11.1 R7#12.1 R7#13.1 R7#14.1 R7#15.1 R7#16.1 R7#17.1 R7#18.1 R7#19.1 R7#20.1 R7#21.1 R7#22.1 R7#23.1 R7#24.1 R7#25.1 R7#26.1 R7#27.1 R7#28.1 R7#29.1 R7#30.1 R7#31.1 R7#32.1 R7#33.1 R7#34.1 R7#35.1
PUSH: J3.3 J3#2.3 J3#3.3 J3#4.3 J3#5.3 J3#6.3 J3#7.3 J3#8.3 J3#9.3 J3#10.3 J3#11.3 J3#12.3 J3#13.3 J3#14.3 J3#15.3 J3#16.3 J3#17.3 J3#18.3 J3#19.3 J3#20.3 J3#21.3 J3#22.3 J3#23.3 J3#24.3 J3#25.3 J3#26.3 J3#27.3 J3#28.3 J3#29.3 J3#30.3 J3#31.3 J3#32.3 J3#33.3 J3#34.3 J3#35.3 Q2.3 Q2#2.3 Q2#3.3 Q2#4.3 Q2#5.3 Q2#6.3 Q2#7.3 Q2#8.3 Q2#9.3 Q2#10.3 Q2#11.3 Q2#12.3 Q2#13.3 Q2#14.3 Q2#15.3 Q2#16.3 Q2#17.3 Q2#18.3 Q2#19.3 Q2#20.3 Q2#21.3 Q2#22.3 Q2#23.3 Q2#24.3 Q2#25.3 Q2#26.3 Q2#27.3 Q2#28.3 Q2#29.3 Q2#30.3 Q2#31.3 Q2#32.3 Q2#33.3 Q2#34.3 Q2#35.3
